# Altium PCB Radio.PcbDoc (part 3 of 3)
Units mil, origin at the board's own origin, x right, y up, seen from the top; angles counter-clockwise.
Board outline 3937.01 x 3937.01 mil, 2 copper layers (Top Layer, Bottom Layer); 220 components, 164 nets, 1023 pads, 256 vias.
Unrouted connection lines stored in the file: 24.
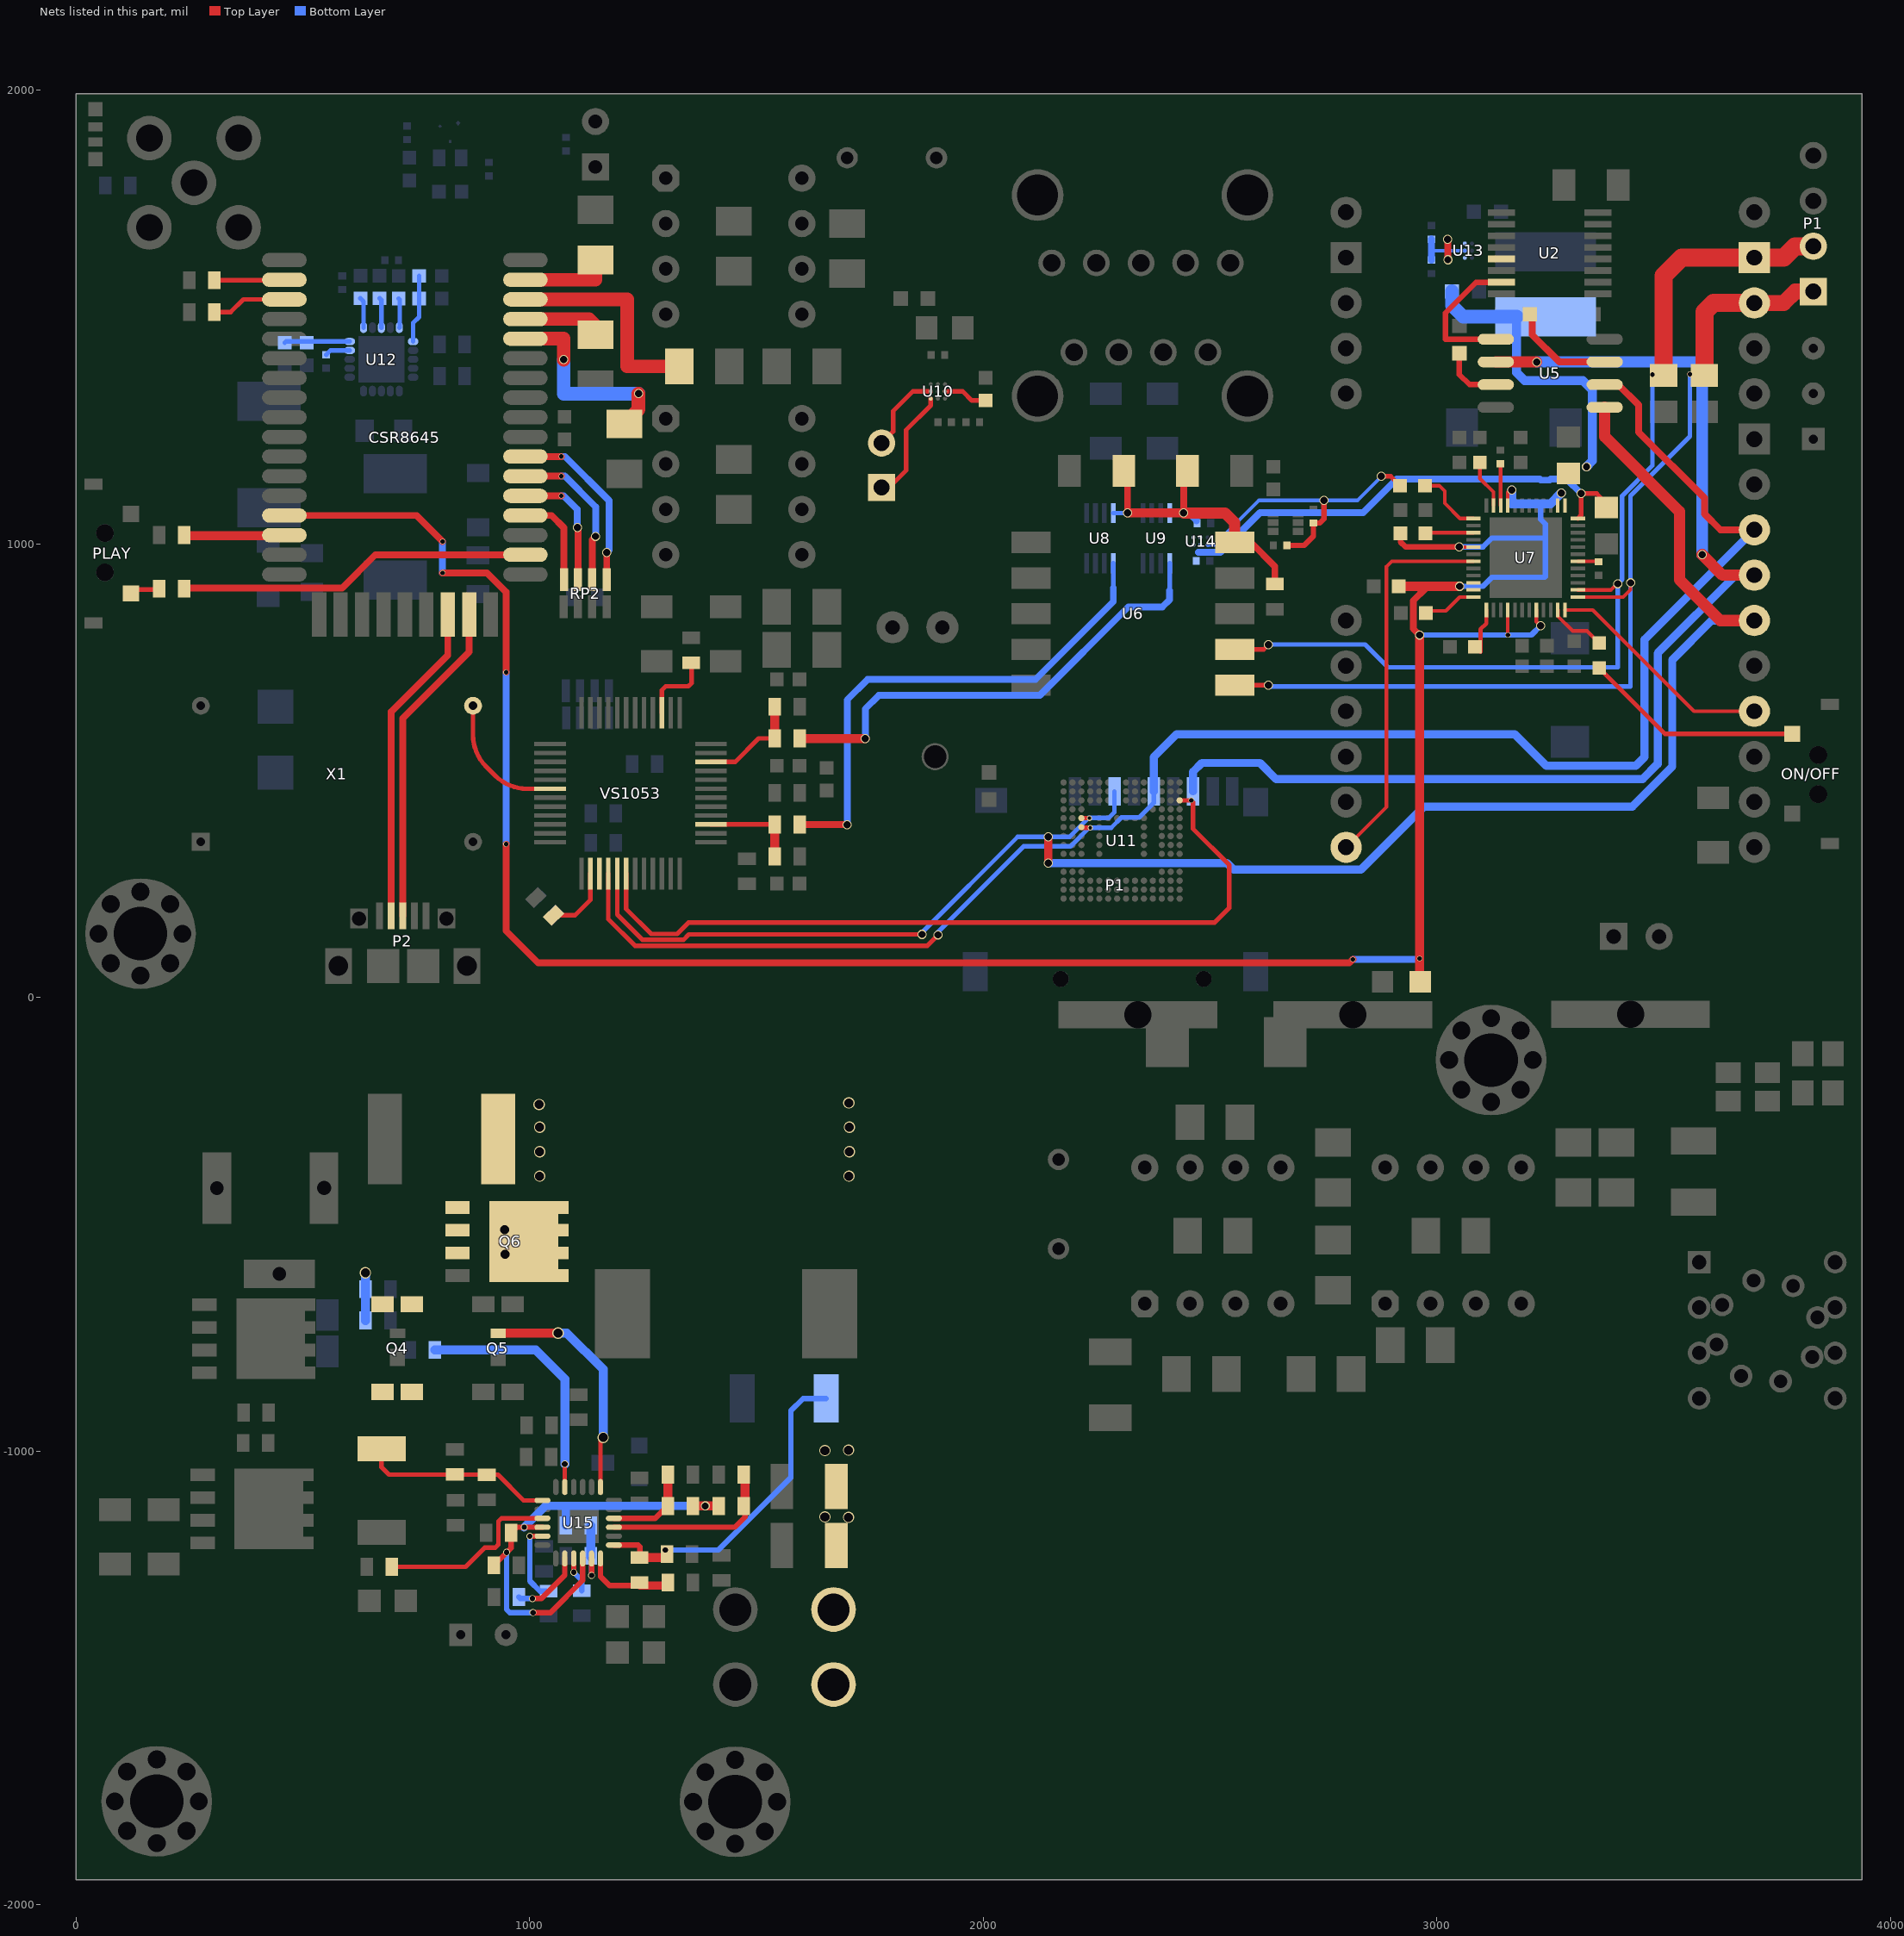
[diagram p3: the nets of this part, all layers, seen from the top]

## Via types
v1: diameter 20, hole 16, Top Layer to Bottom Layer, 113 vias
v2: diameter 25, hole 20, Top Layer to Bottom Layer, 58 vias
v3: diameter 12, hole 10, Top Layer to Bottom Layer, 35 vias
v4: diameter 19.68, hole 7.87, Top Layer to Bottom Layer, 20 vias
v5: diameter 15, hole 12, Top Layer to Bottom Layer, 13 vias
v6: diameter 12, hole 8, Top Layer to Bottom Layer, 6 vias
v7: diameter 16, hole 13, Top Layer to Bottom Layer, 3 vias
v8: diameter 20, hole 15, Top Layer to Bottom Layer, 3 vias
v9: diameter 22, hole 18, Top Layer to Bottom Layer, 1 vias
v10: diameter 14, hole 10, Top Layer to Bottom Layer, 1 vias
v11: diameter 16, hole 14, Top Layer to Bottom Layer, 1 vias
v12: diameter 18, hole 15, Top Layer to Bottom Layer, 1 vias
v13: diameter 78.74, hole 78.74, Top Layer to Bottom Layer, 1 vias

## Nets (pads, with @x,y where several pads share a name; then routed paths per layer and width w, separated by ;. In a path a pad name is that pad's centre, name@x,y a point inside that pad or via, vN(x,y) a via of type N, cw(c..) or ccw(c..) an arc to the next point about the centre after c; other vN are vias at no path point) (continued)
NetQ5_G: Q5.G U15.19 | length 526.4
  Top Layer w10: U15.19@1156.21,-1079.26 1156.21,-975.79 v2(1162,-970)
  Top Layer w20: Q5.G@931,-740.44 931.56,-741 932.56,-740 v2(1062.72,-740)
  Bottom Layer w20: v2(1062.72,-740) 1082,-740 1162,-820 v2(1162,-970)
NetR3_1: R3.1 R4.2 U13.B1 | length 119.5
  Bottom Layer w8: 2988.29,1645.9 2988.66,1646.27 U13.B1@3061.66,1646.27
  Bottom Layer w15: R4.2@2988.29,1625.55 2988.29,1645.9 R3.1@2988.27,1671.57
NetR16_1: R16.1 U15.3 | length 405.9
  Top Layer w10: R16.1@696.46,-1255 859,-1255 901,-1213 924,-1213 931,-1206 931,-1155 937.84,-1148.16 U15.3@1028.26,-1148.16
NetR19_2: R19.2 R22.1 U15.16 | length 199.9
  Top Layer w12: U15.16@1185.74,-1148.16 1276.72,-1148.16 R19.2@1304.88,-1120
  Top Layer w20: R19.2@1304.88,-1120 1305,-1120 R22.1@1305,-1052 R22.1@1305,-1051
NetR20_2: R20.2 R23.1 U15.15 | length 392.1
  Top Layer w12: U15.15@1185.74,-1167.84 1452.16,-1167.84 1474.68,-1145.32 R20.2@1474.68,-1121
  Top Layer w20: R23.1@1474.12,-1052 1474.68,-1052 R20.2@1474.68,-1121
NetR21_2: R21.2 R24.1 U15.11 | length 147.8
  Top Layer w12: v5(1136.53,-1274) U15.11@1136.53,-1236.74
  Bottom Layer w12: R24.1@1135.12,-1233 1136.53,-1234.41 v5(1136.53,-1274)
  Bottom Layer w20: R24.1@1135.12,-1233 1135.12,-1231 R21.2@1135.12,-1164
NetR25_2: R25.2 U15.5 | length 177.5
  Top Layer w12: v5(1000.47,-1187.53) U15.5@1028.26,-1187.53
  Bottom Layer w12: v5(1000.47,-1187.53) 1000.47,-1286.47 1022.88,-1308.88 R25.2@1042,-1308.88
NetR26_2: R26.2 U15.9 | length 78.5
  Top Layer w12: v5(1097.16,-1267.16) U15.9@1097.16,-1236.74
  Bottom Layer w12: v5(1097.16,-1267.16) 1115,-1285 R26.2@1115,-1307.88
NetR27_2: R27.2 U15.8 | length 160.8
  Top Layer w12: v5(1006,-1325) 1026,-1325 1077.47,-1273.53 U15.8@1077.47,-1236.74
  Bottom Layer w12: R27.2@976.12,-1321.74 979.38,-1325 v5(1006,-1325)
NetR34_1: R34.1 R38.1 VS1053.46 | length 231.7
  Top Layer w10: VS1053.46@1399.75,519.25 1453.25,519.25 1505,571 R34.1@1540,571
  Top Layer w20: R34.1@1540,571 R38.1@1540,641
NetR35_1: R35.1 R37.1 VS1053.39 | length 210.4
  Top Layer w10: VS1053.39@1399.75,381.45 1539.55,381.45 R35.1@1540,381
  Top Layer w20: R37.1@1540,311 R35.1@1540,381
NetR39_2: R39.2 R63.1 U15.12 | length 199
  Top Layer w12: U15.12@1156.21,-1236.74 1156.21,-1276.21 1176.12,-1296.12 R39.2@1243,-1296.12
  Top Layer w18: R39.2@1243,-1296.12 1298.88,-1296.12 R63.1@1305,-1290
NetR40_1: CSR8645.2 R40.1 | length 154.7
  Top Layer w10: R40.1@305,1581 458.05,1581 CSR8645.2@459.25,1582.2
NetR41_1: CSR8645.3 R41.1 | length 165.8
  Top Layer w10: R41.1@305,1511 341,1511 368.89,1538.89 CSR8645.3@459.25,1538.89
NetR42_1: CSR8645.15 R42.1 | length 221.8
  Top Layer w20: R42.1@238,1018 458.04,1018 CSR8645.15@459.25,1019.21
NetR44_2: R44.2 U15.23 | length 550.5
  Top Layer w10: U15.23@1077.47,-1079.26 v7(1077.47,-1028.47)
  Bottom Layer w20: R44.2@791.44,-777.05 1013.05,-777.05 1077.47,-841.47 v7(1077.47,-1028.47)
NetR47_1: PLAY.2 R47.1 | length 65.4
  Top Layer w10: PLAY.2@121.06,890.75 129.31,899 R47.1@183,899
NetR50_2: R50.2 U5.7 | length 234
  Top Layer w15: R50.2@3200,1506 3210,1496 3210,1461 3270,1401 U5.7@3370,1401
NetR51_2: R51.2 U5.3 | length 136.6
  Top Layer w12: R51.2@3049.58,1420.36 3049.58,1373.42 3072,1351 U5.3@3130,1351
NetR70_2: R70.2 U7.36 | length 117.4
  Top Layer w8: R70.2@2975.83,852.35 3019.83,852.35 3050.21,882.73 U7.36@3080.67,882.73
NetR71_1: R71.1 U7.23 | length 107.3
  Top Layer w8: R71.1@3094.83,1179.35 3094.83,1144.35 3124.96,1114.21 U7.23@3124.96,1084.51
NetR73_2: R73.2 U7.37 | length 97.5
  Top Layer w9: R73.2@3096.19,762.07 3096.19,811.65 3109.21,824.67 U7.37@3109.21,854.19
NetR74_1: R74.1 U7.22 | length 92.2
  Top Layer w8: R74.1@3139.83,1176.39 3140.71,1175.5 U7.22@3140.71,1084.51
NetR76_1: R76.1 U7.6 | length 46.2
  Top Layer w8: U7.6@3310.98,961.47 3356.01,961.47 R76.1@3356.83,960.65
NetR77_1: R77.1 U7.47 | length 129.1
  Top Layer w8: U7.47@3266.69,854.19 3266.69,840.88 3299.57,808 3331.17,808 R77.1@3357.83,781.35
NetR77_2: ON/OFF.2 R77.2 | length 486.1
  Top Layer w10: R77.2@3357.83,726.35 3503.3,580.87 ON/OFF.2@3783.68,580.87
NetR78_2: R78.2 R79.2 R80.2 U14.C2 | length 659.1
  Top Layer w10: v1(2877.15,1148.85) 2898.41,1148.85 R78.2@2919.01,1128.25
  Top Layer w12: R80.2@2669.58,996.63 2707.36,996.63 2727.87,1017.14 R79.2@2727.87,1045.79 2741.76,1045.79 2750.94,1054.98 2750.94,1095.94 v1(2751,1096)
  Bottom Layer w8: U14.C2@2494.89,998.18 2510.09,998.18 2607.91,1096 v1(2751,1096) 2825.43,1096 2877.15,1147.72 v1(2877.15,1148.85)
NetR81_1: R81.1 U7.27 | length 106.3
  Top Layer w8: R81.1@2974.83,1023.35 2975.94,1024.47 U7.27@3080.67,1024.47
NetR92_1: R92.1 U10.B3 | length 97.5
  Top Layer w10: U10.B3@1915.75,1336 1955,1336 1975,1316 R92.1@2005,1316
NetRC1_1: RC1.1 U12.6 | length 67.4
  Bottom Layer w10: RC1.1@627.01,1541.12 633.86,1534.27 U12.6@633.86,1476.53
NetRC2_1: RC2.1 U12.10 | length 65.5
  Bottom Layer w10: RC2.1@711.14,1540.7 713.5,1538.35 713.5,1477.43 U12.10@712.6,1476.53
NetRFB1_2: RFB1.2 RFT1.1 U12.5 | length 144.3
  Bottom Layer w10: RFT1.1@460.14,1443.32 462.83,1446.02 U12.5@603.35,1446.02
NetRFB2_2: RFB2.2 RFT2.1 U12.11 | length 150.1
  Bottom Layer w10: U12.11@743.11,1446.02 743.11,1487.1 756.22,1500.21 RFB2.2@756.22,1540.7 RFT2.1@756.22,1590.7
NetRP2_1: CSR8645.33 RP2.1 | length 400.9
  Top Layer w15: CSR8645.33@990.75,1192.44 v3(1069.82,1192.44) ; RP2.1@1170,921 v1(1170,981)
  Bottom Layer w15: v3(1069.82,1192.44) 1075,1192.62 1077.65,1192.62 1175,1095.27 1175,986 v1(1170,981)
NetRP2_2: CSR8645.32 RP2.2 | length 346.4
  Top Layer w15: CSR8645.32@990.75,1149.13 v3(1069.82,1149.13) ; RP2.2@1138,921 1138,1009 v1(1145.48,1016.48)
  Bottom Layer w15: v3(1069.82,1149.13) 1075,1149.31 1077.65,1149.31 1145.48,1081.48 v1(1145.48,1016.48)
NetRP2_3: CSR8645.31 RP2.3 | length 282.3
  Top Layer w15: CSR8645.31@990.75,1105.82 v3(1069.82,1105.82) ; RP2.3@1106.49,921 v1@1106.49,1034.51
  Bottom Layer w15: v3(1069.82,1105.82) 1075,1106 1105,1076 v1(1105,1036) v1@1106.49,1034.51
NetRP2_4: CSR8645.30 RP2.4 | length 210.4
  Top Layer w15: CSR8645.30@990.75,1062.52 1048.48,1062.52 1075.51,1035.49 RP2.4@1075.51,921
NetRslew_1: Rslew.1 U12.4 | length 55.6
  Bottom Layer w10: Rslew.1@551.61,1417.05 560.9,1426.33 U12.4@603.35,1426.33
NetRss_1: Rss.1 U12.8 | length 66.2
  Bottom Layer w10: Rss.1@669.29,1541.1 673.23,1537.16 U12.8@673.23,1476.53
NetU1_15: pad.15 U7.31 | length 852.3
  Top Layer w8: pad.15@2800,331 2889,420 2889,949.95 2900.53,961.47 U7.31@3080.67,961.47
NetU1_19: pad.19 U7.48 | length 510
  Top Layer w8: U7.48@3282.44,854.19 3343.81,854.19 3567,631 pad.19@3700,631
NetU3_18: VS1053.18 X1.3 | length 456
  Top Layer w10: X1.3@875.18,643 875.18,579.24 ; VS1053.18@1045.41,460.19 994.23,460.19 ; 875.18,579.24 ccw(c975.18,579.24) 904.47,508.53 ; 875.18,579.24 ccw(c975.18,579.24) 904.47,508.53 ; 904.47,508.53 923.52,489.48 ; 923.52,489.48 ccw(c994.23,560.19) 994.23,460.19 ; 923.52,489.48 ccw(c994.23,560.19) 994.23,460.19
NONE: U2.13
OUT_N: J2.1 U10.C1 | length 250.5
  Top Layer w10: J2.1@1776,1124 1792,1124 1830,1162 1830,1251 1884.25,1305.25 U10.C1@1884.25,1320.25
OUT_P: J2.2 U10.B1 | length 181.4
  Top Layer w10: J2.2@1776,1222.42 1801.58,1248 1801.58,1292.58 1845,1336 U10.B1@1884.25,1336
PG_OK: R78.1 U7.25 | length 152.2
  Top Layer w8: R78.1@2974.01,1128.25 3005.43,1128.25 3017.68,1116 3017.68,1089.43 3051.14,1055.96 U7.25@3080.67,1055.96
PP: CSR8645.28 R47.2 | length 782.9
  Top Layer w15: R47.2@238.12,902.76 586.76,902.76 659.9,975.9 CSR8645.28@990.75,975.9
PSOUT: C16.2 C74.2 C78.2 CSR8645.14 L6.1 ON.A R81.2 U7.13 U7.14 U7.21 U7.29 U7.34 U7.35 U7.40 U7.44 U13.A1 U13.C1 | length 6438.6
  Top Layer w8: v1(3049.2,992.97) U7.29@3080.67,992.97 ; v3@3156.46,796.98 v3(3156.46,799) U7.40@3156.46,854.19 ; U7.21@3156.46,1084.51 3156.46,1113.98 3161.48,1119 v1(3165,1119) ; U7.44@3219.45,854.19 3219.45,828.73 v1(3228.83,819.35)
  Top Layer w12: R81.2@2919.83,1023.35 2919.83,1004.17 2931.03,992.97 v1(3049.2,992.97)
  Top Layer w15: CSR8645.14@459.25,1062.52 750.48,1062.52 v3(808,1005) ; v3(808,936) 906,936 948,894 v3(948,717) ; v3(948,338) 948,147 1019,76 2807,76 v3(2815,84) ; v1(2962,799) 2948,813 2948,874.52 2975.83,902.35 ; v1(3024,1671) 3024,1626.49 v1(3024.27,1626.22)
  Top Layer w20: C74.2@2915.83,902.35 2919.83,906.35 v1(3050.7,906.35) ; ON.A@2962,25 v3(2962,86) v1(2962,799)
  Bottom Layer w12: v1(2962,799) v3(3156.46,799) 3208.48,799 v1(3228.83,819.35) ; v1(3049.2,992.97) 3101.94,992.97 3121.82,1012.84 3237.17,1012.84 ; v1(3050.7,906.35) 3101.94,906.35 3121.82,926.23 3237.55,926.23 3239.32,928 3239.32,1043.57 3228.83,1054.06 3228.83,1087.17 3230,1088.35
  Bottom Layer w15: v3(808,936) v3(808,1005) ; v3@948,339 v3(948,717) ; v3(2815,84) v3@2963,84
  Bottom Layer w20: v1(3165,1119) 3165,1088.35 3230,1088.35 3250.83,1088.35 v1(3274.83,1112.35) ; L6.1@3176,1501 3176,1378 3194,1360 3322,1360 3343,1339 3343,1183 v1(3330,1170)
  Bottom Layer w30: C16.2@3033.3,1556.69 3033.3,1525.7 3058,1501 L6.1@3176,1501
Radio: C1.1 C2.1 C80.2 R9.2 U6.5 U8.8 U9.8 U14.A1 U14.B1 | length 731.1
  Top Layer w15: C1.1@2310,1161 2318.07,1152.93 v1(2318.07,1067.93) ; v1(2441.93,1067.93) 2441.93,1152.93 C2.1@2450,1161 ; U6.5@2554.41,1003.48 2589.52,1003.48 2643,950 R9.2@2643,908.12
  Top Layer w20: v1(2318.07,1067.93) v1(2441.93,1067.93)
  Top Layer w25: v1(2441.93,1067.93) 2533.07,1067.93 2554.41,1046.59 U6.5@2554.41,1003.48
  Bottom Layer w10: U8.8@2286.69,1067.93 v1(2318.07,1067.93) ; U9.8@2411.02,1067.93 v1(2441.93,1067.93)
  Bottom Layer w15: v1(2441.93,1067.93) 2453.07,1067.93 C80.2@2470,1051
RAM_CS: U2.15 U5.1 | length 320.4
  Top Layer w12: U5.1@3130,1451 3019,1451 3019,1509 3086.59,1576.59 U2.15@3142.4,1576.59
Rdo_P: C77.2 C79.2 U7.12 U14.A2 U14.B2 | length 1047.7
  Top Layer w10: U7.12@3310.98,1055.96 3317.87,1062.85 v1(3317.87,1111) 3352.27,1111 C77.2@3373.3,1089.97
  Bottom Layer w15: 2474.37,981.16 2522.6,981.16 2610.2,1068.76 2837.56,1068.76 2911.65,1142.85 3226.99,1142.85 3229.4,1140.43 3248.87,1140.43 3251.28,1142.85 3286.03,1142.85 v1(3317.87,1111)
SCL: P1.2@3830,1656 pad.29 R2.1 U6.2 U7.2 | length 2216.8
  Top Layer w8: U7.2@3310.98,898.48 3383.82,898.48 3397.34,912 v1(3399,912)
  Top Layer w10: U6.2@2554.41,767.26 2618.26,767.26 v1(2629,778)
  Top Layer w40: R2.1@3500,1371 3500,1591 3540,1631 pad.29@3700,1631 3765,1631 3790,1656 P1.2@3830,1656
  Bottom Layer w10: v1(2629,778) 2842,778 2892,728 3399,728 v1(3399,912) 3408.5,921.5 3408.5,1105.88 3475.35,1172.74 v3(3475.35,1372.89)
SDA: P1.1@3830,1556 pad.28 R1.1 U6.1 U7.1 | length 2185.7
  Top Layer w8: U7.1@3310.98,882.73 3410.73,882.73 3427,899 v1(3427,914)
  Top Layer w10: U6.1@2554.41,688.52 v1(2628.98,688.52)
  Top Layer w12: v3(3558.03,1373.87) 3587.13,1373.87 R1.1@3590,1371
  Top Layer w35: pad.28@3700,1531 3765,1531 3790,1556 P1.1@3830,1556
  Top Layer w40: R1.1@3590,1371 3590,1511 3610,1531 pad.28@3700,1531
  Bottom Layer w10: v1(2628.98,688.52) 2632,685.5 3426.5,685.5 3427,686 v1(3427,914) 3427,1106 3558.03,1237.03 v3(3558.03,1373.87)
SPI_CLK: P1.5 pad.23 U5.6 U11.M6 VS1053.28 | length 3840.6
  Top Layer w10: VS1053.28@1173.37,273.19 1173.37,172.63 1232,114 1877,114 1900,137 v1(1900,138) ; U11.M6@2216.42,375.53 2217.95,374 v6(2236,374)
  Top Layer w15: U5.6@3370,1351 3400,1351 3445,1306 3445,1246 3590,1101 3590,1066 3625,1031 pad.23@3700,1031
  Bottom Layer w10: v1@1896.85,141.15 2088.7,333 2192,333 2233,374 v6(2236,374) 2282,374 2305,397 2344,397 2375.86,428.86 P1.5@2375.86,454.31
  Bottom Layer w18: P1.5@2375.86,454.31 2375.86,529.86 2426.5,580.5 3171.5,580.5 3241,511 3439,511 3458,530 3458,789 pad.23@3700,1031
SPI_MISO: P1.7 pad.22 U5.2 U11.A3 VS1053.30 | length 4398
  Top Layer w10: VS1053.30@1212.74,273.19 1212.74,195.26 1268,140 1325,140 1350,165 2509.82,165 2542.49,197.67 2542.49,292.02 2462.47,372.04 2462.47,430.69 v3(2458.58,434.58) U11.A3@2432.95,434.58
  Top Layer w25: U5.2@3130,1401 v1(3220,1401) ; v1(3585,976) 3630,931 pad.22@3700,931
  Bottom Layer w18: P1.7@2462.47,454.31 2462.47,497.47 2482,517 2610,517 2645.5,481.5 3453.5,481.5 3487,515 3487,759 3659,931 pad.22@3700,931
  Bottom Layer w25: v1(3220,1401) 3585,1401 v1(3585,976)
SPI_MOSI: P1.3@2289.24,454.31 pad.21 U5.5 U11.M5 VS1053.29 | length 4030.3
  Top Layer w10: VS1053.29@1193.05,273.19 1193.05,182.95 1249,127 1339,127 1351,139 v1(1865,139) ; U11.M5@2216.42,395.21 v6(2234.21,395.21)
  Top Layer w18: v1(2142.98,296.02) v1(2143,354)
  Top Layer w25: U5.5@3370,1301 3370,1236 3535,1071 3535,921 3625,831 pad.21@3700,831
  Bottom Layer w10: v1(1865,139) 1865,143 2076,354 v1(2143,354) 2190.37,354 2232.37,396 v6@2235,396 ; v6(2234.21,395.21) v6@2235,396 ; P1.3@2289.24,454.31 2289.24,408.24 2277,396 v6@2235,396
  Bottom Layer w18: v1(2142.98,296.02) 2537.7,296.02 2552.22,281.5 2832.5,281.5 2972,421 3431,421 3519,509 3519,744 3606,831 pad.21@3700,831
SPK_L_N: CSR8645.41 R52.2 | length 487
  Top Layer w30: CSR8645.41@990.75,1538.89 1215,1538.89 1215,1391 R52.2@1329.88,1391
SPK_L_P: CSR8645.42 R53.2 | length 197.9
  Top Layer w30: CSR8645.42@990.75,1582.2 1145,1582.2 R53.2@1145,1625.88
SPK_R_N: CSR8645.39 R55.2 | length 449.9
  Top Layer w30: CSR8645.39@990.75,1452.28 1075,1452.28 v1(1075,1406) ; R55.2@1208.54,1264.65 1240,1296.12 v1(1240,1331)
  Bottom Layer w30: v1(1075,1406) 1075,1331 v1(1240,1331)
SPK_R_P: CSR8645.40 R56.2 | length 180.2
  Top Layer w30: CSR8645.40@990.75,1495.59 1130.41,1495.59 1145,1481 R56.2@1145,1461.12
SYSTEM: C19.1 C25.2 C26.1 C37.1 Q4.D Q6.1 R15.1 R45.1 U15.1 | length 531.2
  Top Layer w10: R15.1@673.46,-994.48 673.46,-1035.46 690,-1052 C19.1@905.46,-1052 930,-1052 986.79,-1108.79 U15.1@1028.26,-1108.79
  Bottom Layer w20: R45.1@638,-712 C26.1@638,-643 v2(638,-607)
  other v2: 1022,-394 1704,-394 1022,-340 1705,-340 1022,-286 1705,-286 1021,-236 1703.78,-232.57
USB_N: CSR8645.24 P2.2 | length 716
  Top Layer w15: P2.2@694.64,179.8 694.64,629.64 819.49,754.49 CSR8645.24@819.49,844.05
USB_P: CSR8645.25 P2.3 | length 724.9
  Top Layer w15: P2.3@720.23,179.8 720.23,615.23 866.73,761.73 CSR8645.25@866.73,844.05
VBAT: C28.1 C35.1 C36.1 pad.1@1670,-1514.68 pad.2@1670,-1349.32 Q6.5 R39.1 R46.1 U15.13 | length 732
  Top Layer w12: U15.13@1185.74,-1207.21 1239,-1207.21 1243,-1211.21 1243,-1235 R39.1@1243,-1241
  Top Layer w20: R39.1@1242,-1235 1243,-1235 1295,-1235 C28.1@1303,-1227
  Bottom Layer w12: v5(1299,-1218) 1416,-1218 1576,-1058 1576,-911 1603,-884 R46.1@1653.52,-884
  other v2: 1703,-1146 1651,-1145 1651,-999 1703,-998 945.88,-566 945,-512
VREF: C21.1 R19.1 R20.1 R21.1 R28.2 U15.4 U15.10 | length 1055.4
  Top Layer w12: R28.2@920.88,-1252 959,-1213.88 C21.1@959,-1180 971.16,-1167.84 v5(988,-1167.84) U15.4@1028.26,-1167.84 ; v5(1007.41,-1356) 1046,-1356 1116.84,-1285.16 U15.10@1116.84,-1236.74
  Top Layer w20: R19.1@1360,-1121 R20.1@1417,-1121
  Bottom Layer w12: v5(949,-1223) 949,-1349 956,-1356 v5(1007.41,-1356)
  Bottom Layer w18: v5(988,-1167.84) 1034.84,-1121 1081,-1121 ; R21.1@1080,-1164 1080,-1122 1081,-1121 ; v8(1387,-1121) 1081,-1121
VS_L: R34.2 U9.1 | length 1061
  Top Layer w20: R34.2@1595.12,571 v1(1740,571)
  Bottom Layer w10: 2411.02,897.02 U9.1@2411.02,957.3
  Bottom Layer w15: v1(1740,571) 1740,636 1770,666 2125,666 2320,861 2395,861 2411.02,877.02 2411.02,897.02
VS_R: R35.2 U8.1 | length 1140.9
  Top Layer w15: R35.2@1595.12,381 v1(1700,381)
  Bottom Layer w10: 2286.69,902.69 U8.1@2286.69,957.3
  Bottom Layer w15: v1(1700,381) 1700,656 1745,701 2115,701 2286.69,872.69 2286.69,902.69
VS_RST: R32.1 VS1053.3 | length 168.2
  Top Layer w10: VS1053.3@1291.48,627.52 1291.48,677.48 1300,686 1350,686 1357,693 1357,728 R32.1@1365,736
VS_RX: R33.1 VS1053.26 | length 153.5
  Top Layer w10: R33.1@1052.68,181.25 1100.25,181.25 1134,215 VS1053.26@1134,273.19
VS_TX: VS1053.27
pads on no net: *.3 *.5 C6_1.1 C6_1.2 CAN-8.1 CAN-8.2 CAN-8.3 CAN-8.4 CAN-8.5 CAN-8.6 CAN-8.7 CAN-8.8 CFPX5.1 CFPX5.2 CFPX5.3 CFPX5.4 CFPX-93.1 CFPX-93.2 CSR8645.1 CSR8645.4 CSR8645.5 CSR8645.6 CSR8645.7 CSR8645.8 CSR8645.9 CSR8645.10 CSR8645.11 CSR8645.12 CSR8645.13 CSR8645.16 CSR8645.18 CSR8645.19 CSR8645.20 CSR8645.21 CSR8645.22 CSR8645.23 CSR8645.26 CSR8645.27 CSR8645.29 CSR8645.37 CSR8645.38 DC_IN.3 Designator13.1 Designator13.2 ON/OFF. ON/OFF.3 ON/OFF.4 OP1.1 OP1.5 OP1.8 OP1_1.1 OP1_1.2 OP1_1.3 OP1_1.4 OP1_1.5 OP1_1.6 OP1_1.7 OP1_1.8 OP2.1 OP2.5 OP2.8 OP2_1.1 OP2_1.2 OP2_1.3 OP2_1.4 OP2_1.5 OP2_1.6 OP2_1.7 OP2_1.8 P1.1@2202.63,454.31 P1.8 P1.None P2.0@578.5,69.56 P2.0@623.77,173.89 P2.0@676.92,69.56 P2.0@765.5,69.56 P2.4 PLAY. PLAY.3 PLAY.4 R43.1 R52_1.1 R52_1.2 R53_1.1 R53_1.2 R54_1.1 R54_1.2 R55_1.1 R55_1.2 R56_1.1 R56_1.2 R57_1.1 R57_1.2 R58_1.1 R58_1.2 R59_1.1 R59_1.2 R60_1.1 R60_1.2 R61_1.1 R61_1.2 U2.7 U2.9 U2.10 U6.3 U6.4 U6.9 U7.3 U7.5 U7.7 U7.8 U7.9 U7.10 U7.18 U7.20 U7.28 U7.30 U10.B2 U11.A1 U11.A2 U11.A4 U11.A5 U11.A7 U11.A8 U11.A9 U11.A10 U11.A11 U11.A12 U11.A13 U11.A14 U11.B3 U11.B4 U11.B5 U11.B6 U11.B7 U11.B8 U11.B9 U11.B10 U11.B11 U11.B12 U11.B13 U11.B14 U11.C3 U11.C5 U11.C7 U11.C8 U11.C9 U11.C10 U11.C11 U11.C12 U11.C13 U11.C14 U11.D1 U11.D2 U11.D3 U11.D4 U11.D12 U11.D13 U11.D14 U11.E1 U11.E2 U11.E3 U11.E5 U11.E8 U11.E9 U11.E10 U11.E12 U11.E13 U11.E14 U11.F1 U11.F2 U11.F3 U11.F10 U11.F12 U11.F13 U11.F14 U11.G1 U11.G2 U11.G3 U11.G10 U11.G12 U11.G13 U11.G14 U11.H1 U11.H2 U11.H3 U11.H5 U11.H12 U11.H13 U11.H14 U11.J1 U11.J2 U11.J3 U11.J12 U11.J13 U11.J14 U11.K1 U11.K2 U11.K3 U11.K5 U11.K6 U11.K7 U11.K10 U11.K12 U11.K13 U11.K14 U11.L1 U11.L2 U11.L3 U11.L12 U11.L13 U11.L14 U11.M1 U11.M2 U11.M3 U11.M7 U11.M8 U11.M9 U11.M10 U11.M11 U11.M12 U11.M13 U11.M14 U11.N1 U11.N3 U11.N6 U11.N7 U11.N8 U11.N9 U11.N10 U11.N11 U11.N12 U11.N13 U11.N14 U11.P1 U11.P7 U11.P8 U11.P9 U11.P10 U11.P11 U11.P12 U11.P13 U11.P14 U12.3 VS1053.1 VS1053.2 VS1053.15 VS1053.17 VS1053.48 WE.1 WE.2 WE.3 WE.4 WE.5 WE.6 WE.7 WE.8 X1.1
copper on no net: | length 13181.8
  Top Layer w15: 2677,-81.5 2677,-113 2724,-160 2724,-203 ; 2842,-191 2842,-152 2886,-108 2886,-82
  Top Layer w25: 3186,-675 3240,-621 3240,-518 3275,-483 3364,-483 3396,-451 3396,-430.12 ; 3578.23,-883.68 3611.8,-874.69 3628.59,-845.6 3670.87,-834.27 ; 3578.23,-683.68 3577.31,-680.22 3570.22,-692.49 3639.31,-673.98 ; 3578.23,-583.68 3644.01,-566.06 3689.97,-592.59 3698.38,-623.98 ; 3584,-773.69 3617.06,-764.83 ; 3621.29,-676.3 3629.87,-681.25 3628.94,-677.79 ; 3757.91,-846.15 3840.45,-893.8 3878.23,-883.68 ; 3785.42,-635.86 3804.07,-603.55 3878.23,-583.68 ; 3827.35,-792.34 3869.37,-781.08 3872.35,-780.28 3878.23,-783.68 ; 3839.22,-705.3 3859.51,-699.87 3864.46,-691.29
  Top Layer w30: 2425.88,-830 2425.88,-760 2556,-760 2556,-675 ; 2536.12,-830 2579.8,-830 2579.8,-978 ; 2623.11,-978 2623.11,-760 2771,-760 2771,-645.12 ; 2666.41,-978 2666.41,-844.59 2681,-830 2700.88,-830 ; 2709.72,-977 2709.72,-900 v1(2756,-900) ; 2811.12,-830 2831.12,-850 3086,-850 3086,-690 ; v1(2831,-735) 2865.88,-735 2897.35,-766.46 ; 2981,-525 2981,-670 ; 3007.58,-766.46 2986,-766.46 2986,-675 ; 3086,-375 3086,-525 3086.12,-525 ; 2981,-670 ccw(c2986,-670) 2986,-675 ; 2981,-670 ccw(c2986,-670) 2986,-675 ; 2981,-670 ccw(c2986,-670) 2986,-675 ; 2981,-670 ccw(c2986,-670) 2986,-675
  Top Layer w35: 2456,-597.09 2639.5,-597.09 2701.71,-534.88 2771,-534.88 ; 2566.12,-275 2726.12,-275 2771,-319.88 2780.88,-310 3566,-310 ; v1(2656,-495) 2656,-475 2700.88,-430.12 2771,-430.12 ; 3086,-675 3186,-575 3186,-475 3230.88,-430.12 3301,-430.12
  Top Layer w50: 2166,-554 2277,-554 2456,-375 2456,-275.12 2455.88,-275 ; 2166,-357.15 2317.15,-206 2545.24,-206 ; 2456,-675 2456,-597.09 2456,-520 ; 2556,-520 2556,-375 ; 3396,-430.12 3545.12,-430.12 3566,-451
  Top Layer w60: 2545.24,-206 2566.12,-226.88 2566.12,-275
  Bottom Layer w10: 120,1790 162,1790 ; 1857,-216 1857,-939 2179,-939 2211,-971 2211,-1018
  Bottom Layer w15: 2529.5,-56 2534.5,-51 2586.46,-51 2599.46,-38 2815,-38 ; 2556,-375 2556,-365 ; 2977,-81.5 2977,-85.88 2977.31,-86.19 2977.31,-196.89 3060.59,-280.17 3178.37,-280.17 3261.65,-196.89 3261.65,-82.97 3244.5,-65.83 3244.5,-37 3427,-37
  Bottom Layer w20: 2556,-375 2704,-227 v2(2743,-227) ; 2658,-1100 2658,-677 ; v2(2822,-225) 2936,-225 3086,-375
  Bottom Layer w25: 1683,-221 1963,-221 ; 2656,-675 2658,-677
  Bottom Layer w30: v1(2756,-900) 2831,-900 v1(2831,-735)
  Bottom Layer w35: 2556,-675 2656,-575 v1(2656,-495)
  Bottom Layer w40: 2456,-375 2456,-425 2481,-450 2983.44,-450 ; 2656,-675 2726,-605 3116,-605 3186,-675 3226.12,-715.12 v2(3226.12,-926) ; 2986,-375 2986,-447.44 2983.44,-450 ; v2(3297,-927) 3297,-670.92 3076.08,-450 2983.44,-450
  other v1: 2831,-735 2656,-495
  other v13: 2347.8,1768.83

## Polygon pours and split planes (outlines as drawn)
ADPTER on Top Layer "Top Layer-ADPTER 1" (solid, remove dead copper, pour order 118): 589,-565 589,-841 495,-841 495,-656 534,-656 534,-565
no net on Top Layer "Top Layer-No Net 5" (solid, remove dead copper, pour order 110): 34,-1231.54
GND on Top Layer "Top Layer-GND 3" (solid, remove dead copper, pour order 64): 908,-768 908,-823 1008,-823 1008,-768
GND on Top Layer "Top Layer-GND 4" (solid, remove dead copper, pour order 62): 34,-1228 34,-1590 1582,-1590 1582,-1439 1582,-1004 1259,-1004 1259,-1132 1291.48,-1132 1291.48,-1061 1487,-1061 1487,-1268 1343,-1268 1343,-1489 702,-1489 447,-1230
SYSTEM on Top Layer "Top Layer-SYSTEM 2" (solid, remove dead copper, pour order 58): 966,-203 1731,-203 1731,-423 966,-423
no net on Top Layer "Top Layer-No Net 3" (solid, remove dead copper, pour order 56): 1023,-203
SYSTEM on Top Layer "Top Layer-SYSTEM 3" (solid, remove dead copper, pour order 54): 985,-437 985,-203 787,-203 787,-437
no net on Top Layer "Top Layer-No Net 4" (solid, remove dead copper, pour order 52): 787,-437
ADPTER on Top Layer "Top Layer-ADPTER" (solid, remove dead copper, pour order 46): 493,-565 493,-304 589,-304 589,-565
NetC28_2 on Top Layer "Top Layer-NetC28_2" (solid, remove dead copper, pour order 40): 1727,-952 1727,-546 1423,-546 1423,-948 1427,-952
SYSTEM on Top Layer "Top Layer-SYSTEM" (solid, remove dead copper, pour order 34): 602,-648 602,-480 667,-480 787,-480 787,-437 878,-437 878,-635 806,-635 806,-648
NetC27_1 on Top Layer "Top Layer-NetC27_1" (solid, remove dead copper, pour order 32): 1029.78,-448 1311,-448 1311,-905 1028,-905
NetC27_1 on Top Layer "Top Layer-NetC27_1 1" (solid, remove dead copper, pour order 30): 889,-763 889,-714 1028,-714 1029,-713 1029,-648 817,-648 817,-763
NetC27_1 on Top Layer "Top Layer-NetC27_1 2" (solid, remove dead copper, pour order 28): 684,-763 889,-763 889,-834 1028,-834 1028,-905 817,-905 817,-825 684,-825
no net on Top Layer "Top Layer-No Net 2" (solid, remove dead copper, pour order 26): 684,-768
SYSTEM on Top Layer "Top Layer-SYSTEM 1" (solid, remove dead copper, pour order 24): 677,-714 806,-714 806,-648 602,-648 602,-1024 742,-1024 742,-906 743,-905 807,-905 807,-835 677,-835
NetC19_2 on Top Layer "Top Layer-NetC19_2" (solid, remove dead copper, pour order 22): 465,-1054 523,-1054 617,-1148 737,-1148 737,-1217 465,-1217
NetC18_1 on Top Layer "Top Layer-NetC18_1" (solid, remove dead copper, pour order 20): 31,-661 309,-661 309,-1182 31,-1182
AGND on Top Layer "Top Layer-AGND 1" (solid, remove dead copper, pour order 18): 2051.76,1391.76 2052.51,1391 2639.39,1391 2639.39,616 2051.76,616
GND on Top Layer "Top Layer-GND 1" (solid, remove dead copper, pour order 16): 177,738 179,740 976,740 976,238 177,238 176,239
GND on Top Layer "Top Layer-GND 2" (solid, remove dead copper, pour order 14): 760,230 873,230 873,143 760,143
NetP2_1 on Top Layer "Top Layer-NetP2_1" (solid, remove dead copper, pour order 10): 680,203 680,261 585,261 585,210 656,210 656,203
AGND on Top Layer "Top Layer-AGND" (solid, remove dead copper, pour order 8): 1365,424.87 1365,397 1470.9,397 1471.1,425.14
no net on Top Layer "Top Layer-No Net 1" (solid, remove dead copper, pour order 6): 3314.92,1178.99
no net on Top Layer "Top Layer-No Net" (solid, remove dead copper, pour order 4): 3184.83,771.35
GND on Top Layer "Top Layer-GND" (solid, remove dead copper, pour order 0): 3320,1736 3425,1736 3425,1641 3320,1641
GND on Bottom Layer "Bottom Layer-GND 1" (solid, remove dead copper, pour order 66): 922.69,-970.62 922.69,-787 1008,-787 1008,-1044 1000,-1044
GND on Bottom Layer "Bottom Layer-GND 2" (solid, remove dead copper, pour order 60): 756,-185 756,-554 624,-554 624,-966 944,-966 1033,-1055 1204,-1055 1204,-1281 1203,-1282 536.94,-1282 711.94,-1457 1395,-1457 1396,-1456 1396,-1280 1581,-1280 1581,-1439 1581,-1590 34,-1590 28,-185
VBAT on Bottom Layer "Bottom Layer-VBAT" (solid, remove dead copper, pour order 50): 1727,-935 1727,-1590 1625,-1590 1625,-935
no net on Bottom Layer "Bottom Layer-No Net" (solid, remove dead copper, pour order 48): 1731,-948
NetC28_2 on Bottom Layer "Bottom Layer-NetC28_2" (solid, remove dead copper, pour order 42): 1423,-955 1495,-955 1496,-956 1496,-831 1534,-793 1534,-688 1498,-652 1422,-652
VBAT on Bottom Layer "Bottom Layer-VBAT 1" (solid, remove dead copper, pour order 38): 895,-474 1574,-474 1727,-627 1727,-950 1622,-950 1622,-872 1565,-872 1565,-675 1515,-625 895,-625
GND on Bottom Layer "Bottom Layer-GND" (solid, remove dead copper, pour order 12): 789,213 864,213 989,88 989,40.93 790,40.93
no net on Top Paste (solid, remove dead copper): 1987,-457

## Keep-outs
Bottom Layer:
  lines w2: 81,-173 81,-1 696,-1 696,-173 81,-173

## Other copper
Top Layer:
  rectangle: 3277,-975 3381,-900
  rectangle: 3138,-975 3246,-900
  rectangle: 2800,-251 2863,-177
  rectangle: 2696,-251 2759,-178
  rectangle net VBAT: 1608,-1590 1628,-1287
  rectangle net GND: 605,-431 757,-203
  rectangle net VBAT: 1625,-1590 1727,-967
  rectangle net GND: 752.03,-1013.88 860.03,-967.88
  rectangle net GND: 752,-1202 919,-1145
  rectangle net NetP2_1: 3035,926 3088,950
  rectangle net PSOUT: 3313.92,1161 3341,1177.99
  rectangle net BAT: 3174.83,728.35 3202.83,769.35
  region net PSOUT: 3286.83,1178.99 3262.83,1178.99 3262.83,1068.35 3286.83,1068.35
  region net PSOUT: 3098.83,919.35 3034.83,919.35 3034.83,893.35 3098.83,893.35
  region net BAT: 3144.83,870.35 3120.83,870.35 3120.83,826.35 3144.83,826.35
  pour cut-out: 1104,-448 1104,-648 1029.06,-648 1029.06,-633 1064,-633 1064,-448
  pour cut-out: 771.69,-648 771.69,-580 882,-580 882,-648
  pour cut-out: 2472.93,1214.76 2481,1214.76 2481,1083 2305,1083 2305,1202 2279,1202 2279,1215
  pour cut-out: 2505.1,1048.05 2505.1,895.22 2631,895.22 2631,1047.95
  text "High Voltage" at 2050,-246 h60
  text "Multi-Cell Synchronous  Switch-Mode Charger" at 324,-1916 h100
Bottom Layer:
  rectangle net SYSTEM: 1001,-424 1732,-203.42
  rectangle net VBAT: 1608,-1590 1627,-1287.43
  rectangle net NetP2_1: 585,210 680,261
  region net PSOUT: 3048.88,1540.58 3048.88,1636 3016,1636 3016,1540.58
  region net GND: 3073.25,1635.7 3073.25,1540.59 3085.25,1540.59 3085.25,1635.7
  region net PSOUT: 3066.54,1657.27 3066.54,1671.27 3009.54,1671.27 3009.54,1657.27
  region net +5: 3084.54,1657.27 3084.54,1746.27 3072.54,1746.27 3072.54,1657.27
  region net PSOUT: 3039.54,1670.51 3039.54,1686.27 3009.54,1686.27 3009.54,1670.51
  region net PSOUT: 3066.53,1621.27 3066.53,1635.27 3017.38,1635.27 3017.38,1621.27
  rectangle net Rdo_P: 2462,954 2480,1001
  rectangle net Radio: 2462,1011.93 2480,1053

## Silkscreen, mask and mechanical layers (free items; w line width, h text height)
Top Overlay:
  pour cut-out: 2047.13,574.35 2562.87,574.35 2562.87,117.65 2047.13,117.65
  lines w5: 2128,-7.88 3936,-2.89 ; 2161,-9 2161,-75 3609,-75 3610,-74 3610,-3.79
  lines w10: 2740,271 3760,271 3760,1791 2740,1791 2740,271 ; 3529,-956 3529,-516 3924,-516 3924,-517 3924,-956 3529,-956
  text "SCL" at 3505,1599 h100
  text "SDA" at 3500,1501 h100
  text "SPI" at 3573,893 h60 r45
  text "+" at 2694,-109 h60
  text "-" at 2817,-109 h60
  text "System" at 1142,-359 h120 r0.14
  text "Differ- Audio Amp." at 2146,-910 h100 r90
  text "+" at 1608,-1463 h120
Bottom Overlay:
  text "D0" at 3648,1767.99 h60 r180
  text "A0" at 3048,1688.01 h60
  text "D1" at 3641,1588.01 h60
  text "D2" at 3641,1488.01 h60
  text "SD3" at 3048,1388.01 h60
  text "D3" at 3641,1388.01 h60
  text "SD2" at 3048,1288.01 h60
  text "D4" at 3641,1288.01 h60
  text "3v3" at 3642,1178.01 h60
  text "CLK" at 3883,1102 h60 r45
  text "GND" at 3647,1083.01 h60
  text "MISO" at 3883,1001 h60 r45
  text "D5" at 3612,983.01 h60
  text "D6" at 3612,888.01 h60
  text "MOSI" at 3880,885 h60 r45
  text "GND" at 3058,791.01 h60
  text "D7" at 3612,783.01 h60
  text "3v3" at 3058,691.01 h60
  text "D8" at 3612,683.01 h60
  text "EN" at 3058,591.01 h60
  text "Rx" at 3612,588.01 h60
  text "Tx" at 3612,493.01 h60
  text "RST" at 3058,491.01 h60
  text "GND" at 3058,391.01 h60
  text "GND" at 3652,388.01 h60
  text "3v3" at 3652,293.01 h60
  text "Vin" at 3058,291.01 h60
Top Solder:
  rectangle: 1576,-379 1699,-243
  lines w30: 2580,-978 2580,-961 ; 2623,-978 2623,-963 ; 2666,-978 2666,-960 ; 2710,-977 2710,-959 ; 3159,-957 3225,-957 ; 3302,-958 3362,-958
  lines w50: 1776,-933 1776,-212
  text "-" at 3406,-871 h100
  text "+" at 3148,-874 h100
Mechanical 1:
  the board outline again, w2
Drill Drawing:
  lines w5: 81,-173 81,-1 696.46,-1 696.46,-173 81,-173 ; 773,-173 773,-1 1989,-1 1989,-173 773,-173 ; 1746,-1918 1746,-994 1953,-994 1953,-1918 1746,-1918

## Dimensions
-65,1966 to -65,-4 on Top Layer

## Panel: embedded boards
"..\Mega328 Transmitter\Transmitter.PcbDoc" at 1959,-1941, 1 rows x 1 columns, spacing 2500 x 1500, rotation 0

## Text inside footprints (layer, text, board x,y; h text height)
J2: Top Overlay "1" at 1838.99,1020.06 h51.18 r90
X1: Top Overlay "GND" at 825.18,263 h60; Top Overlay "OUT" at 825.18,568 h60; Top Overlay "Oscillator" at 315.18,177 h60